# Altium PCB RD.PcbDoc (continued)
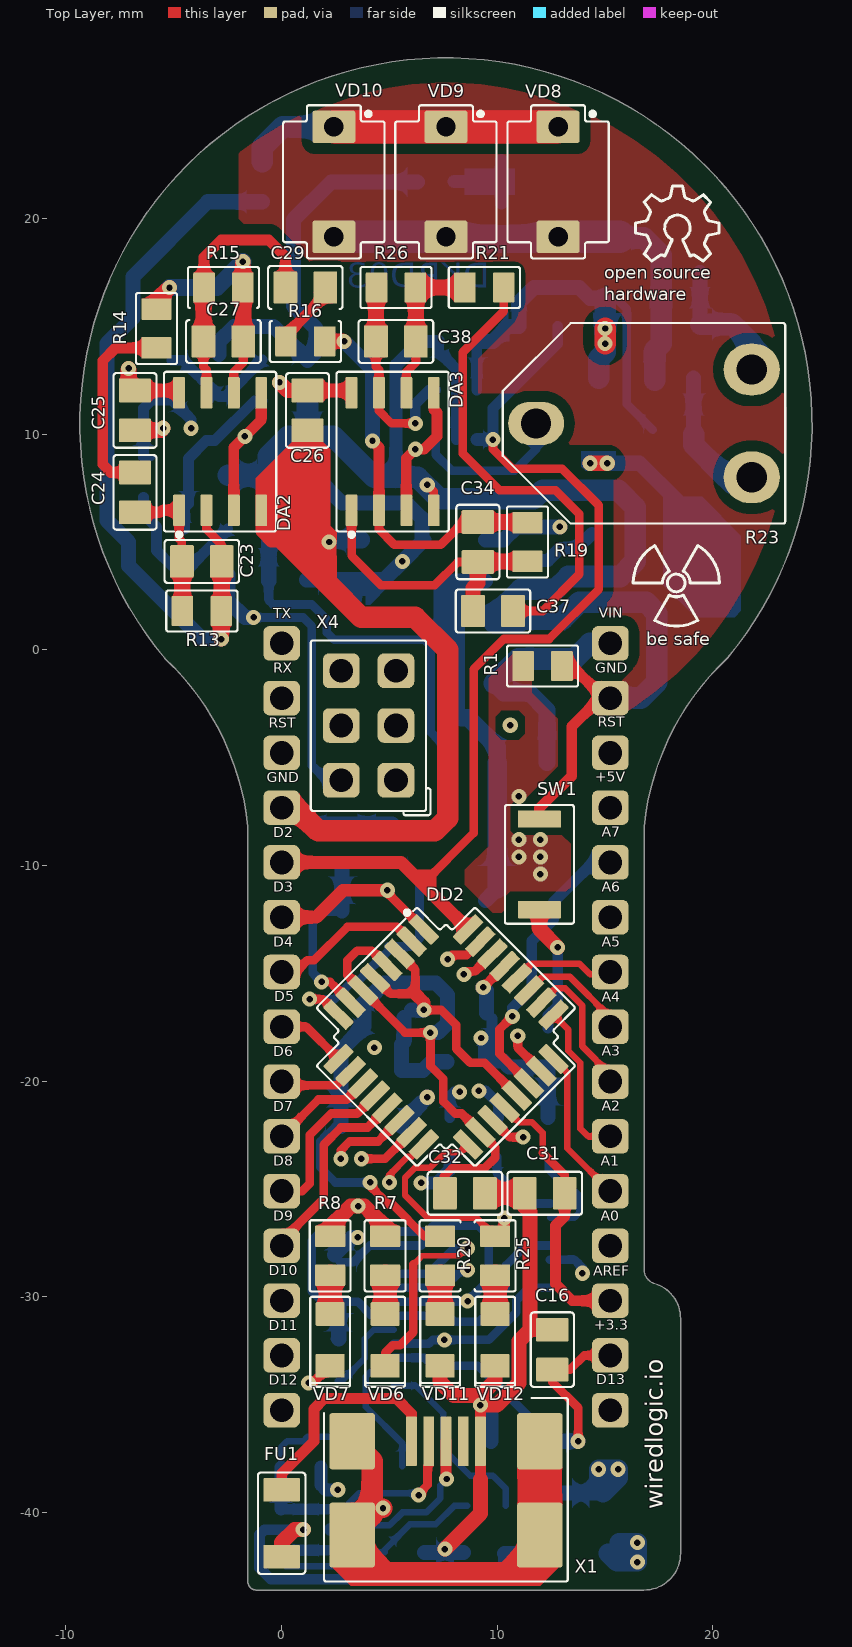
[diagram p0: Top Layer view]
## Part data
C1 C4 C7 C13 C22 C33: library part "C1206 10u", "Ceramic capacitor", Manufacturer=Yageo, Part Number=CC1206KKX7R8BB106, Note="25 VDC X7R -55 +125 10%", Price 10=0,258, Price 100=0,123, Price 1000=0,110, Seller=Mouser
C2 C6 C9 C14 C15 C16 C18 C25 C26 C28 C30 C31 C32 C35 C36: library part "C0805 0.1u", "Ceramic capacitor", Manufacturer=AVX, Part Number=08055C104KAT2A, Note="50 VDC X7R -55 +125 10%", Price 10=0,065, Price 100=0,030, Price 1000=0,017, Seller=Mouser
C3 C10 C11 C12 C20 C21 C29 C37: library part "C0805 0.01u", "Ceramic capacitor", Manufacturer=AVX, Part Number=08055C103KAT2A, Note="50 VDC X7R -55 +125 10%", Price 10=0,058, Price 100=0,026, Price 1000=0,015, Seller=Mouser
C5 C8: library part "C0805 47p", "Ceramic capacitor", Manufacturer=Kemet, Part Number=C0805C470J5GACTU, Note="50 VDC C0G (NP0) -55 +125 10%", Price 10=0,041, Price 100=0,028, Price 1000=0,019, Seller=Mouser
C17 C19: library part "C0805 9p", "Ceramic capacitor", Manufacturer=Yageo, Part Number=CC0805DRNPO9BN9R0, Note="50 VDC C0G (NP0) -55 +125 0.5pF", Price 10=0,08, Price 100=0,037, Price 1000=0,028, Seller=Mouser
C23: "Ceramic capacitor", Manufacturer=Yageo, Part Number=CC0805CRNPO9BN4R7, Note="50VDC C0G (NP0) -55 +125 +-0.25p", Price 10=0,091, Price 100=0,058, Price 1000=0,043, Seller=Mouser
C24: library part "C0805 1000p", "Ceramic capacitor", Manufacturer=Kemet, Part Number=C0805C102K5RACTU, Note="50 VDC X7R -55 +125 10%", Price 10=0,037, Price 100=0,026, Price 1000=0,017, Seller=Mouser
C27 C34 C38: library part "C0805 100p", "Ceramic capacitor", Manufacturer=Kemet, Part Number=C0805C101J5GACTU, Note="50 VDC C0G (NP0) -55 +125 10%", Price 10=0,045, Price 100=0,030, Price 1000=0,020, Seller=Mouser
DA1: library part "DA LD1117SC-R", "Adjustable LDO", Manufacturer="ST Microelectronics", Part Number=LD1117SC-R, Note="800 mA 1.2V -40 +125 Min load 5 mA", Price 10=0,561, Price 100=0,303, Price 1000=0,227, Seller=Mouser
DA2 DA3: library part "DA MAX4477ASA+", "Operational amplifier", Manufacturer=Maxim, Part Number=MAX4477ASA+, Price 10=2,58, Price 100=2,58, Price 1000=2,58, Seller=Mouser
DA4: library part "DA TLV3201AIDBV", "Push-pull output comparator", Manufacturer=TI, Part Number=TLV3201AIDBV, Price 10=1,67, Price 100=1,31, Price 1000=0,773, Seller=Mouser
DD1: library part "DD FT232RL", "USB to UART interface", Manufacturer=FTDI, Part Number=FT232RL, Price 10=6,39, Price 100=5,76, Price 1000=4,18, Seller=Mouser
DD2: library part "DD ATmega328P-AU", "AVR Microcontroller", Manufacturer=Atmel, Part Number=ATmega328P-AU, Price 10=3,27, Price 100=2,71, Price 1000=2,64, Seller=Mouser
FU1: library part "FU 0.5A", "PTC resettable fuse", Manufacturer=Bourns, Part Number=MF-NSMF050, Note="Hold 0.5A Trip 1A -40 +85 Vmax 13.2", Price 10=0,431, Price 100=0,411, Price 1000=0,411, Seller=Mouser
L1 L2 L3: library part "L ILHB1206ER601V", "Multilayer ferrite bead", Manufacturer=Vishay, Part Number=ILHB1206ER601V, Note="2.5A 25% 600 Ohms", Price 10=0,189, Price 100=0,134, Price 1000=0,110, Seller=Mouser
R1 R15 R19 R26 R27: library part "R0805 10k", "Thick film resistor", Manufacturer=Yageo, Part Number=RC0805FR-0710KL, Note="150 VDC -55 +155 1% 125mW", Price 10=0,026, Price 100=0,009, Price 1000=0,006, Seller=Mouser
R2: library part "R0805 120", "Thick film resistor", Manufacturer=Yageo, Part Number=RC0805FR-07120RL, Note="150 VDC -55 +155 1% 125mW", Price 10=0,026, Price 100=0,009, Price 1000=0,006, Seller=Mouser
R3 R12: library part "R0805 360", "Thick film resistor", Manufacturer=Yageo, Part Number=RC0805FR-07360RL, Note="150 VDC -55 +155 1% 125mW 100PPM", Price 10=0,026, Price 100=0,009, Price 1000=0,006, Seller=Mouser
R4 R5: library part "R0805 22", "Thick film resistor", Manufacturer=Yageo, Part Number=RC0805FR-0722RL, Note="150 VDC -55 +155 1% 125mW", Price 10=0,026, Price 100=0,009, Price 1000=0,006, Seller=Mouser
R6 R11: library part "R0805 5.1k", "Thick film resistor", Manufacturer=Yageo, Part Number=RC0805FR-075K1L, Note="150 VDC -55 +155 1% 125mW", Price 10=0,026, Price 100=0,009, Price 1000=0,006, Seller=Mouser
R7 R8 R14 R16 R17 R18 R20 R21 R25: library part "R0805 1k", "Thick film resistor", Manufacturer=Yageo, Part Number=RC0805FR-071KL, Note="150 VDC -55 +155 1% 125mW", Price 10=0,026, Price 100=0,009, Price 1000=0,006, Seller=Mouser
R9: library part "R0805 1M", "Thick film resistor", Manufacturer=Yageo, Part Number=RC0805FR-071ML, Note="150 VDC -55 +155 1% 125mW", Price 10=0,026, Price 100=0,009, Price 1000=0,006, Seller=Mouser
R10 R13: library part "R0805 10M", "Thick film resistor", Manufacturer=Yageo, Part Number=RC0805FR-0710ML, Note="150 VDC -55 +155 1% 125mW", Price 10=0,024, Price 100=0,007, Price 1000=0,006, Seller=Mouser
R22: library part "R0805 100k", "Thick film resistor", Manufacturer=Yageo, Part Number=RC0805FR-07100KL, Note="150 VDC -55 +155 1% 125mW", Price 10=0,026, Price 100=0,009, Price 1000=0,006, Seller=Mouser
R23: library part "R Trim 10k 3319", "Trimming resistor", Manufacturer=Bourns, Part Number=3319P-1-103, Note="200 VDC -25 +100 25% 200mW", Price 10=0,522, Price 100=0,452, Price 1000=0,39, Seller=Mouser
R24: library part "R0805 150k", "Thick film resistor", Manufacturer=Yageo, Part Number=RC0805FR-07150KL, Note="150 VDC -55 +155 1% 125mW", Price 10=0,026, Price 100=0,009, Price 1000=0,006, Seller=Mouser
SW1: library part "SW SKRKAEE010", "Button", Manufacturer=ALPS, Part Number=SKRKAEE010, Note="3.9x2.9x2 1.57N 200000cycles Travel0.13mm 100mOhm max 50mA 12VDC min 10uA 1VDC", Price 10=0,962, Price 100=0,802, Price 1000=0,723, Seller=Mouser
VD1 VD2: library part "VD B160-E3/5AT", "Shottky diode", Manufacturer=Vishay, Part Number=B160-E3/5AT, Note="1A 60V 0.75V@1A", Price 10=0,349, Price 100=0,171, Price 1000=0,097, Seller=Mouser
VD3: library part "VD USBLC6-4SC6 One side", "ESD protection", Manufacturer=ST, Part Number=USBLC6-4SC6, Price 10=0,520, Price 100=0,318, Price 1000=0,245, Seller=Mouser
VD4 VD5: library part "VD BAS28", "Double diode", Manufacturer=Nexperia, Part Number=BAS28, Note="215mA 75V 1.25V@150mA", Price 10=0,409, Price 100=0,171, Price 1000=0,117, Seller=Mouser
VD6: library part "VD LED 0805 Red", "LED", Manufacturer=Lite-On, Part Number=LTST-C171KRKT, Note="130 deg 639 nm 54 mcd typ", Price 10=0,392, Price 100=0,121, Price 1000=0,093, Seller=Mouser
VD7 VD11: library part "VD LED 0805 Green", "LED", Manufacturer=Lite-On, Part Number=LTST-C171GKT, Note="130 deg 565 nm 12 mcd typ", Price 10=0,375, Price 100=0,117, Price 1000=0,089, Seller=Mouser
VD8 VD9 VD10: library part "VD BPW34S", "Photodiode", Manufacturer=Vishay, Part Number=BPW34S, Note="7.5 mm2 RiseTime100ns 25 pF", Price 10=1,36, Price 100=1,08, Price 1000=0,927, Seller=Mouser
VD12: library part "VD LED 0805 Yellow", "LED", Manufacturer=Lite-On, Part Number=LTST-C171KSKT, Note="130 deg 588 nm 60 mcd typ", Price 10=0,422, Price 100=0,132, Price 1000=0,100, Seller=Mouser
VT1: library part "VT NTR4171P", "P-channel MOSFET", Manufacturer="ON Semiconductor", Part Number=NTR4171P, Note="110mOhm @ 4.5V 30V 3.5A", Price 10=0,424, Price 100=0,228, Price 1000=0,173, Seller=Mouser
X1: library part "X USB 1775051-1", "USB connector", Manufacturer=TE, Part Number=1775051-1, Note="Mini USB Type AB Female", Price 10=1,85, Price 100=1,40, Price 1000=1,40, Seller=Mouser
X2 X3: library part "X PLS-15", "PLS connector", Manufacturer=Molex, Part Number=22-28-4150, Price 10=0,916, Price 100=0,806, Price 1000=0,585, Seller=Mouser
X4: library part "X PLD-6", "PLD connector", Manufacturer="TE Connectivity", Part Number=5-146254-3, Price 10=0,726, Price 100=0,492, Price 1000=0,385, Seller=Mouser
ZQ1: library part "ZQ TSX-3225 16.0000MF09Z-AC3", "Crystal", Manufacturer=Citizen, Part Number="TSX-3225 16.0000MF09Z-AC3", Note="-20 +75 10 ppm", Price 10=0,606, Price 100=0,537, Price 1000=0,537, Seller=Mouser

## Via types
v1: diameter 0.7, hole 0.3, Top Layer to Bottom Layer, 72 vias

## Nets (pads, with @x,y where several pads share a name; then routed paths per layer and width w, separated by ;. In a path a pad name is that pad's centre, name@x,y a point inside that pad or via, vN(x,y) a via of type N, cw(c..) or ccw(c..) an arc to the next point about the centre after c; other vN are vias at no path point)
+3.3V: C13.1 C16.2 DD1.17 X3.14 | length 17
  Top Layer w0.4: v1(13.75,-36.7) 13.75,-35.15 12.55,-33.95 C16.2 13.375,-33.375 14.03,-32.72 X3.14
  Bottom Layer w0.3: C13.1 C13.1@12.5,-36.6
  Bottom Layer w0.4: DD1.17 6.625,-32.825 7,-33.2 9.1,-33.2 C13.1@12.5,-36.6
  Bottom Layer w0.7: C13.1 v1(13.75,-36.7)
+5V: C4.1 C6.2 L2.2 L3.1 R2.1 VD1.1 VD2.1 VD4.4 X3.4 X4.2 | length 92.6
  Top Layer w0.7: v1(14.3,8.65) v1(15.1,8.65)
  Power w0.7: v1(-1.3,1.5) -1.3,2.15 ; v1(6.75,-20.75) 6.75,-19.7 7.95,-18.5 7.95,-17.5 8.55,-16.9 9.5,-16.9 10.95,-15.45
  Power w1: -1.3,2.15 0.05,3.5 5,3.5 v1(5.6,4.1) 7.7,4.1 11.5,7.9 13.6,7.9 14.3,8.6 15.1,8.6 15.1,3.8 12.9,1.6 12.9,-4.2 13.25,-4.55 13.25,-11.35 11.4,-13.2 11.4,-15 10.95,-15.45 ; 13.25,-7.32 X3.4
  GND w0.7: v1(14.3,8.65) v1(15.1,8.65)
  Bottom Layer w0.4: v1@-1.4,1.5 v1(-1.3,1.5) 1,1.5 1.4,1.1 1.4,-5.37 2.08,-6.05 X4.2
  Bottom Layer w0.7: VD4.4@-2.5,3.5 -2.5,2.3 -1.7,1.5 v1@-1.4,1.5 ; R2.1@1.15,3.25 3.35,3.25 ; C6.2 1.5,8.1 2.8,6.8 5.8,6.8 6.5,6.1 C4.1 ; VD1.1@3.35,1.95 3.35,3.25 ; L3.1 5.55,-21.95 v1(6.75,-20.75) ; C4.1@6.6,5.1 v1(5.6,4.1) 4.75,3.25 3.35,3.25 ; v1(15.1,8.65) 16.6,8.65 18.4,6.85 VD2.1
+5VA: C22.1 C25.2 C26.2 C28.2 DA2.8 DA3.8 DA4.5 L2.1 R22.1 R27.2 | length 53.5
  Top Layer w0.6: C25.2 DA2.8@-4.864,12.025 ; C26.2 DA3.8@3.136,12.025
  Top Layer w0.7: v1(-7.1,13.05) -7.1,12.325 C25.2 ; v1(-0.1,12.4) 0.275,12.025 C26.2
  Top Layer w1: v1(15,14.2) v1(15,14.9)
  Power w1: v1(-7.1,13.05) -0.75,13.05 v1(-0.1,12.4) 0.5,11.8 3.5,11.8 6.6,14.9 v1(15,14.9) v1(15,14.2)
  GND w1: v1(15,14.2) v1(15,14.9)
  Bottom Layer w0.4: C22.1@15,16.3 15.5,16.3 16,15.8 16,11.4 R22.1@17.2,10.2
  Bottom Layer w0.5: DA4.5 C28.2@9.05,14.225
  Bottom Layer w0.7: C28.2 9.8,14.3 10.5,15 R27.2 11,16.1 11.7,16.8 13.8,16.8 14.3,16.3 C22.1@15,16.3
  Bottom Layer w1: L2.1 14.7,13.5 15,13.8 C22.1@15,16.3
+13.4V: C15.2 R9.1 VD5.2 | length 19.2
  Bottom Layer w0.7: VD5.2@-2.9,13.7 -2.9,14.3 -2.2,15 -0.375,15 C15.2 1.6,13.825 1.6,14.9 0.55,15.95 0.55,19.95 2.3,21.7 R9.1
A0: DD2.23 X3.12 | length 14.2
  Top Layer w0.4: v1(10.95,-17.9) 10.95,-18.452 DD2.23
  Power w0.7: v1(10.95,-17.9) 13,-19.95 13,-26.45 14.19,-27.64 X3.12
A1: DD2.24 X3.11 | length 7.2
  Top Layer w0.3: DD2.24 13.25,-19.62 13.25,-23.11 X3.11
A2: DD2.25 X3.10 | length 7.3
  Top Layer w0.3: DD2.25 13.287,-17.607 13.287,-18.587 13.85,-19.15 13.85,-22.2 14.21,-22.56 X3.10
A3: DD2.26 X3.9 | length 6.6
  Top Layer w0.3: DD2.26 12.698,-15.7 13.15,-15.7 13.95,-16.5 13.95,-18.393 15.24,-19.683 X3.9
A4: DD2.27 X3.8 | length 5.3
  Top Layer w0.3: DD2.27 12.117,-15.15 13.35,-15.15 15.24,-17.04 X3.8
A5: DD2.28 X3.7 | length 4.7
  Top Layer w0.3: DD2.28 11.586,-14.55 13.8,-14.55 14.3,-15.05 X3.7@15.13,-15.05
A6: DD2.19 X3.6 | length 14.3
  Top Layer w0.4: DD2.19 10.573,-22.6 v1(11.2,-22.6)
  GND w0.5: v1(11.2,-22.6) 13.65,-20.15 13.65,-12.85 14.1,-12.4 X3.6
A7: DD2.22 X3.5 | length 13.4
  Top Layer w0.4: v1(10.7,-17) 10.1,-17.6 10.1,-18.733 DD2.22
  Bottom Layer w0.5: v1(10.7,-17) 10.7,-16.6 11.6,-15.7 11.6,-13.5 12.6,-12.5 12.6,-11.7 14.44,-9.86 X3.5
AREF: C31.2 DD2.20 X3.13 | length 12.7
  Top Layer w0.3: DD2.20 10.342,-21.242 11,-21.9 11.6,-21.9 12.1,-22.4 12.1,-23.325
  Top Layer w0.4: 12.1,-23.325 13.125,-24.35 C31.2
  Top Layer w0.5: C31.2 13.125,-26.275 12.7,-26.7 12.7,-29.4 13.48,-30.18 X3.13
D0/RX: DD2.30 R17.1 X2.2 | length 37.1
  Top Layer w0.4: v1(8.45,-15.05) 8.6,-14.9 8.973,-14.9 DD2.30
  Power w0.4: X2.2 0.76,-2.24 1.4,-1.6 1.4,0.3 1.75,0.65
  Power w0.5: 1.75,0.65 6.35,0.65 7.9,-0.9 7.9,-10.35 6.35,-11.9 6.35,-14.7 7.1,-15.45 8.05,-15.45 v1(8.45,-15.05)
  GND w0.4: v1(8.45,-15.05) 8.45,-19.05 9.15,-19.75 v1(9.15,-20.45)
  Bottom Layer w0.5: v1(9.15,-20.45) 9.45,-20.45 10.05,-21.05 R17.1
D1/TX: DD2.31 R18.1 X2.1 | length 35.3
  Top Layer w0.4: v1(7.7,-14.35) 7.9,-14.15 8.592,-14.15 DD2.31
  Power w0.5: X2.1 0,1.3 0.5,1.8 6.7,1.8 8.9,-0.4 8.9,-11.05 7.6,-12.35 7.6,-14.25 v1(7.7,-14.35)
  GND w0.4: v1(7.7,-14.35) 7.7,-19.95 v1(8.25,-20.5)
  Bottom Layer w0.5: R18.1 7.8,-20.7 8,-20.5 v1@8.2,-20.5
D2: DA4.1 DD2.32 R27.1 X2.5 | length 45.6
  Top Layer w0.4: 6.54,-10.86 8.9,-8.5 8.9,-0.9 10.3,0.5 12.4,0.5 14.7,2.8 14.7,6.7 13,8.4 10.7,8.4 9.8,9.3 v1(9.8,9.75)
  Top Layer w0.6: X2.5 5.54,-9.86 DD2.32@8.54,-12.86
  Bottom Layer w0.5: v1(9.8,9.75) 9.8,11.2 12.8,14.2 R27.1
  Bottom Layer w0.6: DA4.1 v1(9.8,9.75)
D3: C10.1 C12.1 DD2.1 X2.6 | length 41.6
  Top Layer w0.4: v1(4.9,-11.15) 4.9,-11.27 DD2.1
  Top Layer w0.6: X2.6 1.6,-12.4 2.85,-11.15 v1(4.9,-11.15)
  GND w0.35: 4.4,-9.8 4.03,-9.43 4.03,0.11 4.6,0.68
  GND w0.4: 4.6,0.68 4.6,0.7
  GND w0.5: v1(-4.2,10.275) -2.013,8.088 1.312,8.088 2.5,6.9 3,6.9 4.6,5.3 4.6,0.7 ; 4.4,-9.8 4.9,-10.3 v1(4.9,-11.15)
  Bottom Layer w0.3: C10.1 C10.1@-6,8.925
  Bottom Layer w0.5: C10.1 -6.4,11.2 -6.025,11.575 C12.1 -4.2,10.675 v1(-4.2,10.275)
D4: DD2.2 X2.7 | length 7.2
  Top Layer w0.4: X2.7 0.66,-14.94 1.2,-14.4 1.5,-14.4 3.05,-12.85 5.348,-12.85 DD2.2
D5: DD2.9 X2.8 | length 3.3
  Top Layer w0.4: X2.8 1.14,-17.48 DD2.9
D6: DD2.10 X2.9 | length 3.3
  Top Layer w0.4: X2.9@0.18,-20.2 2.542,-20.2 DD2.10
D7: DD2.11 X2.10 | length 4.8
  Top Layer w0.4: X2.10 1.71,-20.85 3.023,-20.85 DD2.11
D8: DD2.12 X2.11 | length 7.5
  Top Layer w0.4: X2.11 0.95,-25.1 1.3,-24.75 1.3,-22.5 2.3,-21.5 3.504,-21.5 DD2.12
D9: DD2.13 X2.12 | length 9.2
  Top Layer w0.3: X2.12 X2.12@0,-27.4
  Top Layer w0.4: X2.12@0,-27.4 1.95,-25.45 1.95,-22.95 2.75,-22.15 3.986,-22.15 DD2.13
D10: DD2.14 X2.13 | length 12.4
  Top Layer w0.4: v1(2.75,-23.6) 2.75,-23.2 3.15,-22.8 4.467,-22.8 DD2.14
  Power w0.4: X2.13 1.3,-30.18 1.75,-29.73 1.75,-24.2 2.35,-23.6 v1(2.75,-23.6)
D11/MOSI: DD2.15 X2.14 X4.4 | length 38
  Top Layer w0.4: v1(3.7,-23.6) 4.798,-23.6 DD2.15
  Power w0.4: X2.14 1.8,-32.72 2.65,-31.87 2.65,-24.95 3.7,-23.9 v1(3.7,-23.6)
  GND w0.4: X4.4 1.79,-3.51 1.4,-3.9 1.4,-6.9 3.2,-8.7 3.2,-13 4.1,-13.9 4.1,-16.3 2.6,-17.8 2.6,-19.7 3.7,-20.8 v1(3.7,-23.6)
D12/MISO: DD2.16 X2.15 X4.1 | length 37.1
  Top Layer w0.3: v1(5,-24.7) 5,-24.35 5.85,-23.5 6.03,-23.5 DD2.16
  Power w0.6: X2.15 2.34,-35.26 5,-32.6 v1(5,-24.7)
  GND w0.4: v1(5,-24.7) 5,-20.7 3.4,-19.1 3.4,-18.1 4.8,-16.7 4.8,-13.7 5.9,-12.6 5.9,-9.2 5.3,-8.6 X4.1
D13/SCK: DD2.17 R25.2 X3.15 X4.3 | length 52.2
  Top Layer w0.3: DD2.17 8.28,-23.3 7.6,-23.3 6.89,-24.01 6.19,-24.01 5.72,-24.48 5.72,-25.295 6.75,-26.325 9.025,-26.325 R25.2
  Top Layer w0.5: R25.2 10.325,-26.775 v1(10.325,-26.35)
  Power w0.3: 5.75,-23.95 5.75,-25.5 6,-25.75
  Power w0.5: v1(4.3,-18.45) 5.1,-19.25 5.1,-23.3 5.75,-23.95 ; 6,-25.75 6.6,-26.35 v1(10.325,-26.35)
  Power w0.7: v1(10.325,-26.35) 10.325,-31.875 13.71,-35.26 X3.15
  GND w0.4: v1(4.3,-18.45) 5.5,-17.25 5.5,-15.8 6.3,-15 6.3,-14 7,-13.3 7,-4.1 6.41,-3.51 X4.3
GND: C1.2 C2.1 C3.2 C4.2 C5.2 C6.1 C7.2 C8.2 C9.1 C11.1 C13.2 C15.1 C16.1 C17.2 C18.2 C19.2 C21.1 C22.2 C25.1 C26.1 C28.1 C30.1 C31.1 C32.1 C33.2 C35.1 C36.1 DA2.4 DA3.4 DA4.2 DD1.7 DD1.18 DD1.21 DD1.25 DD1.26 DD2.3 DD2.5 DD2.21 R1.1 R3.2 R24.2 SW1.1 VD8.2 VD9.2 VD10.2 VD11.1 VD12.1 X1.5 X2.4 X3.2 X4.6 | length 316.6
  Top Layer w0.3: DD2.21 DD2.21@10.908,-20.654
  Top Layer w0.4: DD2.5 5.054,-15.95 6.2,-15.95 6.2,-14.833 DD2.3 ; v1(6.6,-16.7) 7.4,-16.7 8.1,-17.4 8.1,-18.5 8.75,-19.15 9.404,-19.15 DD2.21@10.908,-20.654 ; v1(6.75,7.65) 7.053,7.347 DA3.4
  Top Layer w0.5: C26.1 1.2,9.5 -0.947,7.353 DA2.4 -0.947,5.447 -0.5,5 v1(2.2,5) ; 9.22,-38.48 X1.5 v1(9.22,-35.02) ; SW1.1 11.95,-7.35 13.45,-5.85 13.45,-3.55 14.85,-2.15 13.45,-0.75 R1.1
  Top Layer w0.6: 6.2,-15.95 6.6,-16.35 v1(6.6,-16.7)
  Top Layer w0.7: C25.1 -5.6,10.175 v1(-5.5,10.275) ; 2.2,3 v1(2.2,5) ; VD11.1 7.35,-33.95 7.98,-34.58 9.22,-34.58 ; v1(7.57,-41.7) 9.22,-40.05 9.22,-38.48 ; VD12.1 9.9,-33.9 9.22,-34.58 ; C31.1 11.275,-25.825 11.525,-26.075 11.525,-31.525 C16.1 ; 11.425,-31.625 11,-32.05 11,-34 9.98,-35.02 v1(9.22,-35.02) 9.22,-34.58
  Top Layer w1: X2.4 0.62,-7.32 1.7,-8.4 7.1,-8.4 7.7,-7.8 7.7,0 6.2,1.5 3.7,1.5 2.2,3 ; C32.1@9.375,-25.2 C31.1
  Power w0.7: 6.1,-16.7 v1(6.6,-16.7)
  Power w1: X2.4 0.42,-7.32 3.1,-10 3.1,-13.7 6.1,-16.7
  Power w1.5: VD10.2 VD8.2
  GND w1: X2.4 0.32,-7.32 2,-9 2,-13.2 3,-14.2 3,-15.985 1.7,-17.285 1.7,-21.3 1.7,-26 2.95,-27.25 v1(3.525,-27.25) 7.64,-27.25 9.765,-25.125 10.975,-25.125 11.725,-25.875 11.725,-26.825 10.7,-27.85 10.7,-38.3 12.55,-40.15 15.675,-40.15 16.5,-40.975 v1(16.5,-41.4) v1(16.5,-42.3) ; v1(2.6,-38.95) 2.6,-40.1 4.2,-41.7 v1(7.57,-41.7) v1@16.45,-41.7 ; v1(7.55,-32) 8.625,-30.925 v1(8.625,-30.2)
  GND w1.4: v1(2.2,5) 2.76,4.44 ; 6.5,16.5 7.62,17.62 VD9.2
  Bottom Layer w0.4: C9.1 2.725,-28.4 3.325,-28.4 4.1,-27.625 DD1.25 6.475,-27.625 6.75,-27.35 6.75,-26.975 ; DD1.18 6.825,-32.175 7,-32 9.6,-32 10.875,-30.725 10.875,-30.175 11.475,-29.575 DD1.7 ; DD1.21 8.6,-30.225 v1(8.625,-30.2) 9.6,-29.225 9.6,-27.2 9.1,-26.7 7.025,-26.7 6.75,-26.975 ; DD1.26 6.75,-26.975
  Bottom Layer w0.5: C28.1 7.275,13.825 8.1,13 DA4.2
  Bottom Layer w0.6: C5.2 1.825,-38.725 2.05,-38.95 v1(2.6,-38.95) ; 5.3,8 5.3,13.2 6.4,14.3 C28.1
  Bottom Layer w0.7: C6.1 -0.625,7.625 1.2,5.8 R3.2 ; C9.1@2.45,-28.05 3.25,-27.25 v1(3.525,-27.25) ; C30.1 5.675,-18.175 5.55,-18.3 C33.2 6.55,-19.5 6.95,-19.1 C21.1 ; C30.1@6.025,-16.7 v1(6.6,-16.7) ; C8.2 C3.2@8.425,-41.85 ; v1(9.22,-35.02) 9.7,-35.5 C13.2
  Bottom Layer w0.8: X2.4 0.72,-7.32 1.525,-8.125 C17.2 C19.2 ; R3.2 1.7,5.4 2.1,5 v1(2.2,5) 2.3,5.1 C4.2 ; v1@7.57,-41.8 v1(7.57,-41.7)
  Bottom Layer w0.9: C7.2 15.55,-42.3 v1(16.5,-42.3) v1(16.5,-41.4) C7.2@15.65,-41.4
  Bottom Layer w1: C11.1 C6.1 -0.625,8.975 0.3,9.9 2.4,9.9 4.3,8 5.3,8 6.3,8 7.3,7 11.7,7 12.1,7.4 15.6,7.4 16.4,6.6 16.4,4.1 15.7,3.4 13.3,3.4 12.7,2.8 11.1,2.8 9.85,1.55 C1.2 10.95,1.25 11.125,1.425 13.025,1.425 13.8,2.2 16.9,2.2 17.4,1.7 17.4,-1.5 16.66,-2.24 X3.2 ; 1.2,10 C15.1 ; C22.2 16.8,19.1 17.6,18.3 R24.2 17.6,14.2 17.3,13.9 C35.1@17.3,12.5
  Bottom Layer w1.3: VD9.2@7.62,19.05 VD8.2@12.82,19.05
  Bottom Layer w1.5: VD10.2 VD9.2 ; VD8.2 C22.2@15.65,19.15
NetC3_1: C3.1 FU1.2 L1.2 VD3.5 | length 20.4
  Top Layer w0.7: FU1.2 0,-41.4 0.6,-40.8 v1(1,-40.8)
  Bottom Layer w0.5: v1(1,-40.8) VD3.5 -0.8,-40.8 -1.03,-41.03 -1.03,-42.57 -0.5,-43.1 10,-43.1 10.275,-42.825 C3.1@10.275,-41.85
  Bottom Layer w0.7: C3.1@10.325,-41.9 L1.2@12.5,-41.9
NetC5_1: C5.1 R4.1 VD3.1 VD3.6 X1.2 | length 17.4
  Top Layer w0.3: v1(6.35,-39.2) 6.82,-38.73 X1.2
  Bottom Layer w0.3: C5.1 -0.025,-36.975 0.25,-36.7 1,-36.7 1.2,-36.5 3.3,-36.5 3.8,-37 R4.1 ; VD3.1 2.85,-39.85 3.6,-39.1 6.25,-39.1 v1(6.35,-39.2)
  Bottom Layer w0.5: VD3.6 VD3.1
  Bottom Layer w0.6: VD3.6 C5.1@-0.03,-37.905
NetC8_1: C8.1 R5.1 VD3.3 VD3.4 X1.3 | length 21.6
  Top Layer w0.5: v1@7.62,-38.38 X1.3
  Bottom Layer w0.3: VD3.4 -0.03,-42.27 0.2,-42.5 3.5,-42.5 4.15,-41.85 C8.1 4.775,-41.725 5.95,-40.55 7.15,-40.55 8,-39.7 R5.1 ; VD3.3 3.05,-41.75 4.2,-40.6 5,-40.6 5.6,-40 6.7,-40 7.35,-39.35 7.35,-38.75 v1(7.65,-38.45)
  Bottom Layer w0.5: VD3.4 VD3.3
NetC10_2: C10.2 VD4.1 VD4.3 | length 7
  Bottom Layer w0.5: C10.2 -6.4,6.3 -5.8,5.7 -5.8,4.6 -5.1,3.9 VD4.1 -4.2,3.9 VD4.3
NetC11_2: C11.2 VD4.2 VD5.4 | length 7.9
  Bottom Layer w0.5: VD4.2 -4.5,6.6 -4.325,6.775 C11.2 -4.325,8.875 -3.5,9.7 -3.1,9.7 -1.25,11.55 VD5.4
NetC12_2: C12.2 VD5.1 VD5.3 | length 5.6
  Bottom Layer w0.5: C12.2 -4.575,13.425 VD5.1 -2.6,11.75 VD5.3
NetC14_2: C14.2 DD1.2 | length 4.8
  Bottom Layer w0.3: C14.2 12.35,-24.1 13.05,-24.8 13.3,-24.8 13.8,-25.3 13.8,-26.1 13.575,-26.325 DD1.2
NetC17_1: C17.1 DD2.7 ZQ1.1 | length 8.4
  Top Layer w0.4: v1(1.85,-15.4) 2.242,-15.4 DD2.7
  Bottom Layer w0.4: v1(1.85,-15.4) 1.45,-15 1.45,-12.65 1.95,-12.15 ZQ1.1@2.75,-12.15
  Bottom Layer w0.5: ZQ1.1@2.75,-12.15 ZQ1.1@2.8,-12.1
  Bottom Layer w0.7: ZQ1.1@2.8,-12.1 C17.1
NetC18_1: C18.1 R9.2 R10.1 | length 4.2
  Bottom Layer w0.6: R9.2@8,21.712 10.2,21.712 ; C18.1 10.2,21.712 ; R10.1 10.2,21.712
NetC19_1: C19.1 DD2.8 ZQ1.3 | length 12.1
  Top Layer w0.4: v1(1.3,-16.2) 1.91,-16.2 DD2.8
  Bottom Layer w0.4: v1(1.3,-16.2) 2.45,-16.2 3.275,-15.375 3.525,-15.375 ZQ1.3 ; ZQ1.3@4.95,-13.75 6.04,-13.75 6.39,-13.4 6.39,-10.69 5.675,-9.975 C19.1
NetC20_1: C20.1 R10.2 VD8.1 VD9.1 VD10.1 | length 35.4
  Top Layer w1.5: VD10.1 VD8.1 VD8.1@12.85,24.25
  Power w1.5: VD10.1 VD8.1@12.65,24.25
  Bottom Layer w1: C20.1 -0.9,23.3 0.05,24.25 VD10.1
  Bottom Layer w1.3: VD9.1@7.62,24.35 VD8.1@12.82,24.35
  Bottom Layer w1.5: VD10.1 VD9.1
NetC20_2: C20.2 C23.1 DA2.2 R13.1 | length 33.7
  Top Layer w0.4: DA2.2 -3.487,5.587 -2.775,4.875 C23.1
  Top Layer w0.7: v1(-2.8,0.5) R13.1 ; R13.1@-2.775,1.825 C23.1
  Bottom Layer w0.7: v1(-2.8,0.5) -3.7,0.5 -7.1,3.9 -7.1,5 -8.1,6 -8.1,14.2 -6.9,15.4 -6.9,17.3 -3.425,20.775 C20.2
NetC23_2: C23.2 C24.1 DA2.1 R13.2 | length 6.8
  Top Layer w0.4: DA2.1 -4.757,5.157 -4.625,5.025 C23.2
  Top Layer w0.5: C24.1 -5.625,6.375 -5.532,6.468 DA2.1
  Top Layer w0.7: R13.2 C23.2@-4.6,4.075
NetC24_2: C24.2 R14.1 | length 9.2
  Top Layer w0.5: C24.2 -7.925,8.225 -8.3,8.6 -8.3,13.4 -7.7,14 R14.1
NetC27_1: C27.1 DA2.6 R14.2 R15.1 | length 11.4
  Top Layer w0.4: DA2.6 -2.217,12.883 -1.775,13.325 C27.1
  Top Layer w0.7: R14.2 -5.8,16.2 v1(-5.2,16.8) ; R15.1 v1(-1.8,18) ; C27.1 R15.1@-1.775,16.775
  Bottom Layer w0.8: v1(-5.2,16.8) -3,16.8 v1(-1.8,18)
NetC27_2: C27.2 C29.1 DA2.7 R15.2 | length 12.2
  Top Layer w0.4: C27.2 -3.625,13.125 -3.487,12.987 DA2.7
  Top Layer w0.5: R15.2 -3.6,18.2 -2.8,19 -0.6,19 0.175,18.225 C29.1
  Top Layer w0.7: C27.2 R15.2@-3.625,16.775
NetC29_2: C29.2 R16.1 | length 2.7
  Top Layer w0.5: R16.1 R16.1@0.2,14.4 ; R16.1@0.2,14.6 C29.2@2.025,16.425
NetC34_1: C34.1 DA3.2 R16.2 R19.1 | length 17.9
  Top Layer w0.4: DA3.2 4.513,5.587 5.225,4.875 7.375,4.875 8.4,5.9 C34.1@8.9,5.9
  Top Layer w0.5: v1(4.213,9.687) 4.513,9.387 DA3.2 ; C34.1@8.9,5.9 C34.1@8.925,5.925
  Top Layer w0.7: R16.2 v1(2.9,14.3) ; C34.1@8.925,5.925 R19.1@11.375,5.925
  Bottom Layer w0.7: v1(2.9,14.3) 4.213,12.987 v1(4.213,9.687)
NetC34_2: C34.2 C37.1 DA3.1 R19.2 | length 13.6
  Top Layer w0.4: DA3.1 3.243,4.357 4.6,3 7.1,3 8.175,4.075 C34.2
  Top Layer w0.7: C37.1 8.875,2.875 9.1,3.1 C34.2 ; C34.2@9.125,4.1 R19.2
NetC35_2: C35.2 DA2.3 DA2.5 DA3.3 DA3.5 R22.2 R23.1 | length 44.1
  Top Layer w0.5: DA2.3 -2.217,9.383 -0.947,10.653 DA2.5 ; DA3.3 5.783,8.883 v1(6.2,9.3) 6.6,9.3 7.2,9.9 7.2,11 7.053,11.147 DA3.5
  GND w0.7: v1(-1.7,9.9) 2.1,9.9 3.6,8.4 5.3,8.4 v1(6.2,9.3) 7.65,9.3 9.45,7.5 21.3,7.5 R23.1
  Bottom Layer w0.7: R22.2@19.1,10.1 R22.2 C35.2@19.1,12.6
  Bottom Layer w1: R22.2@19.1,10 19.1,9.5 20.6,8 R23.1
NetC36_2: C36.2 R23.2 R24.1 | length 6.2
  Bottom Layer w0.7: C36.2@19.4,15.125 R24.1
  Bottom Layer w1: C36.2 20.9,15.1 21.8,14.2 R23.2@21.8,13.1
NetC37_2: C37.2 R21.1 | length 21.6
  Top Layer w0.4: R21.1 10.3,15.7 8.4,13.8 8.4,9.1 10.1,7.4 12.7,7.4 13.8,6.3 13.8,3.5 12.1,1.8 C37.2
NetC38_1: C38.1 DA3.6 R21.2 R26.1 | length 7.3
  Top Layer w0.4: DA3.6 5.783,12.883 6.225,13.325 C38.1
  Top Layer w0.7: R26.1 R21.2 ; C38.1 R26.1@6.225,16.775
NetC38_2: C38.2 DA3.7 DA4.4 R26.2 | length 9.8
  Top Layer w0.4: C38.2 4.375,13.125 4.513,12.987 DA3.7 4.513,11.087 5.1,10.5 v1(6.2,10.5)
  Top Layer w0.7: C38.2 R26.2@4.375,16.775
  Bottom Layer w0.5: v1(6.2,10.5) 6.2,11.4 6.85,12.05 DA4.4
NetDA1_1: DA1.1 R2.2 R3.1 | length 17.6
  Bottom Layer w0.4: R2.2 -0.6,2.3 -0.4,2.1 1.4,2.1 2.1,1.4 2.1,0.8 2.44,0.46 6.62,0.46 6.9,0.18 6.9,-3.8 7.7,-4.6 DA1.1
  Bottom Layer w0.7: R2.2 R3.1
NetDA1_2: DA1.2 DA1.4 R1.2 VD1.2 VT1.1 | length 18.1
  Bottom Layer w0.7: VD1.2@7.4,1.3 VD1.2 7.4,2.79 7.81,3.2 VT1.1 ; DA1.4@9.45,-11.625 DA1.4
  Bottom Layer w0.8: VD1.2@7.4,1.3 8.1,0.6 8.1,-2.9 8.35,-3.15 8.65,-3.15 10,-4.5 DA1.2
  Bottom Layer w0.9: DA1.4 DA1.2
  other v1: 12,-10.4 11,-9.6 12,-9.6 11,-8.8 12,-8.8 11,-6.8
NetDA4_3: DA4.3 R23.3 | length 7.3
  Bottom Layer w0.4: DA4.3 7.15,9.05 7.9,8.3 10.8,8.3 11.8,9.3 R23.3
NetDD1_15: DD1.15 R5.2 | length 8.9
  Bottom Layer w0.3: DD1.15 6.225,-34.125 7.5,-35.4 7.5,-37.05 8.75,-38.3 9.8,-38.3 10.4,-38.9 R5.2
NetDD1_16: DD1.16 R4.2 | length 6.2
  Bottom Layer w0.3: DD1.16 4.125,-33.475 3.9,-33.7 3.9,-35.1 5.6,-36.8 R4.2
NetDD1_19: DD1.19 R6.2 | length 4.1
  Bottom Layer w0.3: R6.2 2.8,-33.9 3.85,-32.85 3.85,-31.95 4.275,-31.525 DD1.19
NetDD1_22: DD1.22 VD7.1 | length 14.6
  Top Layer w0.4: v1(1.25,-33.99) 1.46,-33.99 VD7.1
  GND w0.7: v1(1.25,-33.99) 2.71,-33.99 7.95,-28.75 v1(8.625,-28.75)
  Bottom Layer w0.4: DD1.22 7.525,-29.575 8.35,-28.75 v1(8.625,-28.75)
NetDD1_23: DD1.23 VD6.1 | length 12.2
  Top Layer w0.25: 6.1,-28.5 6.5,-28.1 8.214,-28.1 v1@8.564,-27.75
  Top Layer w0.4: VD6.1 4.8,-32.6 5.15,-32.25 5.5,-32.25 6.1,-31.65 6.1,-28.5 ; v1@8.564,-27.75 v1(8.625,-27.75)
  Bottom Layer w0.4: DD1.23 6.825,-28.925 8,-27.75 v1(8.625,-27.75)
NetFU1_1: FU1.1 X1.1 | length 10.7
  Top Layer w0.5: FU1.1 0,-38.2 1.5,-36.7 1.5,-35.2 1.98,-34.72 5.32,-34.72 6.02,-35.42 X1.1
NetR7_1: R7.1 VD6.2 | length 1.8
  Top Layer w1: VD6.2 R7.1
NetR8_1: R8.1 VD7.2 | length 1.8
  Top Layer w1: VD7.2 R8.1
NetR12_2: R12.2 SW1.2 | length 6
  Top Layer w0.7: SW1.2 11.95,-12.95 v1(12.8,-13.8)
  Bottom Layer w0.5: R12.2 12.35,-16.95 12.8,-16.5 v1(12.8,-13.8)
NetR20_1: R20.1 VD11.2 | length 1.8
  Top Layer w1: VD11.2 R20.1
NetR25_1: R25.1 VD12.2 | length 1.8
  Top Layer w1: VD12.2 R25.1
NetVD2_2: VD2.2 VT1.3 | length 3.3
  Bottom Layer w0.6: VT1.3 12.35,4.15 12.9,4.7 13.7,4.7 VD2.2
RESET: C14.1 C21.2 DD2.29 R11.2 R12.1 X2.3 X3.3 X4.5 | length 56.1
  Top Layer w0.4: v1(9.35,-15.65) 9.354,-15.65 DD2.29
  Power w0.4: X2.3 1.4,-6.18 1.4,-6.9 2.2,-7.7 6.3,-7.7 7,-7 7,-1.5 6.47,-0.97 X4.5
  GND w0.5: v1(9.25,-18) 9.25,-17.05 10.4,-15.9
  GND w0.7: X4.5 10.37,-0.97 14.18,-4.78 X3.3 ; 8.3,-1.3 8.3,-12.8 10.4,-14.9 10.4,-15.9
  Bottom Layer w0.5: C21.2@9.35,-18.925 v1@9.35,-18 ; C21.2@9.75,-18.775 R11.2@9.75,-17.1
  Bottom Layer w0.7: v1(9.35,-15.65) 9.5,-15.8 R11.2 ; C21.2@9.85,-19.075 10.275,-19.075 10.55,-19.35 R12.1 C14.1
RXU: DD1.1 R17.2 | length 3.8
  Bottom Layer w0.4: R17.2@10,-23.5 10,-24.3 11.375,-25.675 DD1.1
SHIELD: VD3.2 X1.6 | length 22.7
  Top Layer w0.9: X1.6@4.2,-39.8 v1(4.7,-39.8)
  Top Layer w1: X1.6@3.27,-41.25 4.82,-42.8 10.42,-42.8 X1.6@11.97,-41.25 ; X1.6@3.27,-41.05 4.2,-40.12 4.2,-39.8 4.2,-37.63 X1.6@3.27,-36.7
  Top Layer w2: X1.6@11.97,-40.95 X1.6@11.97,-36.7
  Bottom Layer w0.6: VD3.2 3,-40.8 4,-39.8 v1(4.7,-39.8)
TXU: DD1.5 R18.2 | length 14.2
  Power w0.7: v1(6.47,-24.72) 10.92,-24.72 11.6,-25.4 ; 11.7,-25.5 11.7,-27.25 13.36,-28.91 v1(13.95,-28.91)
  Bottom Layer w0.4: DD1.5 13.575,-28.275 13.95,-28.65 v1(13.95,-28.91)
  Bottom Layer w0.6: v1(6.47,-24.72) 7.18,-24.72 7.8,-24.1 R18.2
VCCP: C30.2 C32.2 C33.1 DD2.4 DD2.6 DD2.18 L3.2 R11.1 R20.2 | length 40.8
  Top Layer w0.4: v1(4.1,-24.7) 4.1,-24.861 4.939,-25.7 5.125,-25.7 6.625,-27.2 R20.2 ; DD2.4 4.186,-13.95 3.5,-13.95 3.05,-14.4 3.05,-15.077 5.723,-17.75 v1(6.9,-17.75) 6.9,-19.3 7.5,-19.9 7.5,-20.95 8.05,-21.5 8.342,-21.5 DD2.18 9.9,-23.058 9.9,-23.55 9.4,-24.05 7.9,-24.05 7.525,-24.425 C32.2@7.525,-25.2
  Bottom Layer w0.4: L3.2@2.5,-22.1 1.8,-22.8 1.8,-24 2.5,-24.7 v1(4.1,-24.7)
  Bottom Layer w0.7: L3.2 C33.1 2.75,-18.55 3.825,-17.475 C30.2 3.825,-16.375 4.75,-15.45 7.15,-15.45 7.7,-16 R11.1 7.7,-17.3 7.25,-17.75 v1(6.9,-17.75)
VIN: C1.1 C2.2 DA1.3 X3.1 | length 11.5
  Bottom Layer w0.8: C1.1 10.3,-2 11.5,-2 12.3,-2.8 DA1.3
  Bottom Layer w1: C1.1 10.975,-0.425 C2.2 13.575,-0.425 14.3,0.3 X3.1
VUSB: C7.1 C9.2 DD1.4 DD1.20 L1.1 R6.1 R7.2 R8.2 VT1.2 | length 94.7
  Top Layer w0.7: R8.2 2.25,-26.75 3.2,-25.8 v1(3.55,-25.8) 3.85,-25.8 4.8,-26.75 R7.2
  Power w1: v1@10.5,-3.35 10.5,3.3 v1(12.9,5.7)
  GND w1: v1(3.55,-25.8) 7.1,-25.8 9.1,-23.8 9.7,-23.8 ; v1(10.6,-3.5) 9.7,-4.4 9.7,-12.25 11.75,-14.3 11.75,-14.95 12.25,-15.45 12.25,-19.55 9.7,-22.1 9.7,-23.8 ; v1(15.6,-38) v1(14.7,-38) 13.15,-38 12.45,-37.3 12.45,-28.35 13.15,-27.65 13.15,-25.2 11.75,-23.8 9.7,-23.8
  Bottom Layer w0.35: R6.1@2.45,-31.95 R6.1 ; C9.2@2.45,-30.475 C9.2
  Bottom Layer w0.4: v1(3.55,-25.8) 3,-25.8 1.4,-27.4 1.4,-29.75 1.875,-30.225 C9.2 3.525,-30.225 4.175,-30.875 DD1.20 7.725,-30.875 8,-31.15 9.15,-31.15 10,-30.3 10,-30 10.4,-29.6 10.4,-28.55 11.325,-27.625 DD1.4
  Bottom Layer w0.7: R6.1@2.65,-31.95 C9.2@2.65,-30.475 ; VT1.2 10.3,5.1 10.9,5.7 v1(12.9,5.7) ; L1.1@12.4,-39.1 L1.1 C7.1@14.9,-39.1
  Bottom Layer w0.9: C7.1@14.7,-38.9 v1(14.7,-38) v1(15.6,-38) 15.6,-38.4 14.9,-39.1 C7.1@14.7,-38.9
pads on no net: DD1.3 DD1.6 DD1.8 DD1.9 DD1.10 DD1.11 DD1.12 DD1.13 DD1.14 DD1.24 DD1.27 DD1.28 X1.4 ZQ1.2 ZQ1.4

## Polygon pours and split planes (outlines as drawn)
NetDA1_2 on Bottom Layer "Top Layer-No Net" (solid, pour order 0): 10.3,-5.8 11.3,-6.8 13,-6.8 13.4,-7.2 13.4,-9.6 11.9,-11.1 11.9,-12.3 10.9,-13.3 10.9,-14.9 10.595,-15.205 9.805,-15.205 8.9,-14.3 8.6,-14.3 7.1,-12.8 7.1,-7.4 7.7,-6.8 8.7,-6.8 9.7,-5.8
NetC20_1 on Bottom Layer "Top Layer-No Net" (solid, pour order 18): 1.4,24.9 cw(c7.65,11.65) 13.9,24.9
NetC20_1 on Top Layer "Top Layer-No Net" (solid, pour order 16): 1.4,24.9 cw(c7.65,11.65) 13.9,24.9
no net on Top Layer "Top Layer-No Net" (none, pour order 14): 2.42,23.5 12.82,23.5 ccw(c12.82,24.25) 13.57,24.25 ccw(c12.82,24.25) 12.82,25 2.42,25 ccw(c2.42,24.25)
GND on Top Layer "Top Layer-No Net" (solid, pour order 10): 7.6,-5.288 cw(c7.6,10.5) -8.188,10.5 cw(c7.6,10.5) 7.6,26.288 cw(c7.6,10.5) 23.388,10.5 cw(c7.6,10.5)
NetDA1_2 on Top Layer "Top Layer-No Net" (solid, pour order 4): 9.6,-4.4 9.6,-2.6 10.4,-2.6 9.9,-3.1 9.9,-3.9 10.4,-4.4
NetDA1_2 on Top Layer "Top Layer-No Net" (solid, pour order 2): 13,-8.6 13.4,-9 13.4,-11 13.2,-11.2 10.6,-11.2 10.4,-11.4 10.4,-12 10.2,-12.2 9.8,-12.2 8.5,-10.9 8.5,-10.2 9.6,-9.1 9.6,-4.2 11,-4.2 11.3,-3.9 11.3,-3.1 11,-2.8 9.6,-2.8 9.6,-1.3 10.7,-0.2 11.6,-0.2 11.6,-2 12.8,-3.2 12.8,-5.4 11.2,-7 10.8,-7 10.6,-7.2 10.6,-8.4 10.8,-8.6
GND on GND "Top Layer-No Net" (solid, pour order 6): 7.6,-5.288 cw(c7.6,10.5) -8.188,10.5 cw(c7.6,10.5) 7.6,26.288 cw(c7.6,10.5) 23.388,10.5 cw(c7.6,10.5)
GND on Power "Top Layer-No Net" (solid, pour order 8): 7.6,-5.288 cw(c7.6,10.5) -8.188,10.5 cw(c7.6,10.5) 7.6,26.288 cw(c7.6,10.5) 23.388,10.5 cw(c7.6,10.5)

## Other copper
Top Layer:
  pour cut-out: 15.1,9.5 12.3,9.5 12.3,9 15.1,9
  pour cut-out: 11.8,11.9 9,11.9 9,11.4 11.8,11.4
  pour cut-out: 12.8,0.6 12.8,-3.4 15.8,-3.4 15.8,-1.4 16.3,-0.9 16.3,0.6
  pour cut-out: 0.8,18.5 1.3,18 10.3,18 10.3,17.5 0.8,17.5
  pour cut-out: -2,23 -2,20 -1.5,19.5 -5,19.5 -5,20
  pour cut-out: 8.5,-5.5 8.5,12.5 -3,12.5 -2.5,12 -2.5,-5.5
  region net GND: 2.55,5 2.55,5.45 2.25,5.75 2.25,9.3 1.9,9.65 0.5,9.65 -1.2,7.95 -1.2,5.7 -0.5,5
  region net NetC5_1: 6.57,-37.8 6.57,-38.66 6.3,-38.93 6.3,-39 6.57,-39 6.83,-38.74 6.83,-37.81 6.82,-37.8
  region net D2: 7.18,-10.2 7.18,-11.4 6.58,-10.8
  region net GND: 1.9,2.6 -0.5,5 1.9,5
  region net D2: 5.98,-10.2 7.18,-10.2 6.58,-10.8
  pour cut-out: 15.1,1.4 15.1,2.4 14.8,2.4 14.8,1.4
  pour cut-out: 15.4,6.7 15.4,8.1 14.9,8.1 14.9,6.7
  region net SHIELD: 2.3,-42.5 3.2,-43.4 12,-43.4 12.9,-42.5
Power:
  region net +5V: -1.8,2.15 -1.8,1.5 -1.45,1.15 -1.25,1.15 -1.25,2.1 -1.3,2.15
  region net NetDA1_2: 12.3,-10.8 10.1,-13 10.1,-14.4 9.9,-14.6 9.1,-14.6 8.3,-13.8 8.3,-12.8 9.6,-11.5 9.6,-4.6 9.8,-4.4 11.8,-4.4 12.3,-4.9
  region net GND: 6.1,-17.2 6.35,-17.2 6.5,-17.05 6.25,-17.05
  region net +5V: 13.7,-8.2 14.1,-7.8 13.7,-7.8
  region net +5V: 13.7,-6.44 14.1,-6.84 13.7,-6.84
  pour cut-out: -5.9,1.9 -0.1,1.9 1.1,0.7 1.1,-1.2 0.9,-1.4 -2.6,-1.4
  pour cut-out: 13.51,10.673 14.641,9.541 14.359,9.259 13.227,10.39
  pour cut-out: 9.3,9.1 9.3,7 9.5,7 9.5,9.1
  pour cut-out: 16.3,1.4 16.3,-1.2 16,-1.5 16,-3.1 14.9,-3.1 14.9,1.4
  pour cut-out: 15,1.4 15,2.4 14.7,2.4 14.7,1.4
  region net +5V: 13.3,7.4 15,7.4 15,8.4 14.8,8.6 14.3,8.6
GND:
  pour cut-out: 16.3,-3 13.5,-3 13.5,-3.3 16.3,-3.3
  region net RESET: 8,-1.3 8,-2.3 7,-1.3
  region net RESET: 8.6,-1.3 8.6,-2.3 9.6,-1.3
  region net GND: 16.5,-42.8 3.2,-42.8 2.1,-41.7 2.1,-39.8 3.1,-39.8 3.1,-40.9 4.3,-42.1 16.5,-42.1
  region net NetDA1_2: 10.7,-4.8 11.4,-4.1 12.3,-4.1 13.7,-5.5 13.7,-11.5 12.65,-12.55 11.65,-12.55 10.7,-11.6
  pour cut-out: 3.6,-1.7 1.1,-1.7 1.1,-2 3.6,-2
  pour cut-out: 5.2,4.9 5.2,7.4 5.7,7.9 4.2,7.9 4.2,6.5 4.9,5.8 4.9,4.9
  pour cut-out: 6.7,10.7 -3.7,10.7 -3.7,10.3 6.7,10.3
  pour cut-out: -5.8,1.9 0.5,1.9 2,0.4 2,-1.7 -2.2,-1.7
  pour cut-out: 6.8,10.4 13.6,10.4 14.5,9.5 14.5,8.2 8.3,8.2 6.8,9.7
  region net VUSB: 10.2,-23.3 10.5,-23.3 10.2,-23
  region net VUSB: 9,-23.4 9.3,-23.1 9.3,-23.4
Bottom Layer:
  region net +5V: 13.9,9.2 13.9,8.5 14.1,8.3 15.3,8.3 15.5,8.5 15.5,9.2
  region net NetDA4_3: 11.3,9.6 11.6,9.3 11.6,9.6
  region net NetDA4_3: 12,9.3 12,9.6 12.3,9.6
  region net GND: 5,8.8 4.7,8.5 5,8.5
  region net GND: 5.6,8.8 5.9,8.5 5.6,8.5
  region net GND: 0.9,10.8 0.5,10.4 0.9,10.4
  region net GND: 1.5,10.8 1.5,10.4 1.9,10.4
  region net +5V: 4.1,2.5 4.1,3.1 2.7,3.1 2.7,2.5
  region net NetDA1_2: 8.5,0.5 8.5,3 7.7,3 7.7,1.1
  region net +5V: 2.7,2 1.7,3 2.8,3 2.9,2.9 2.9,2
  region net +5V: 5,3 4.1,2.1 3.9,2.1 3.9,3
  region net +5V: 17.7,3 19.2,1.5 21,1.5 21.3,1.8 21.3,5.3 19.5,7.1 17.7,7.1
  region net NetC18_1: 8.5,22.3 10.8,22.3 10.8,21.1 8.5,21.1
  text "DKRD03" at 9.65,16.4 h2

## Silkscreen, mask and mechanical layers (free items; w line width, h text height)
Top Overlay:
  circle w0.14: c18.3,3.1 r0.41
  lines w0.14: 16.299,3.1 cw(c18.3,3.1) 17.3,4.833 17.98,3.655 ccw(c18.3,3.1) 17.659,3.1 16.299,3.1 ; 16.414,19.328 16.414,19.8 16.866,19.889 ccw(c16.837,20.039) 16.982,19.993 cw(c18.352,19.564) 17.08,20.23 ccw(c16.945,20.301) 17.071,20.385 16.815,20.768 17.148,21.102 17.531,20.845 ccw(c17.616,20.972) 17.687,20.837 cw(c18.352,19.564) 17.923,20.935 ccw(c17.878,21.08) 18.027,21.051 18.116,21.503 18.588,21.503 18.677,21.051 ccw(c18.827,21.08) 18.781,20.935 cw(c18.352,19.564) 19.018,20.837 ccw(c19.089,20.972) 19.173,20.845 19.556,21.102 19.89,20.768 19.633,20.385 ccw(c19.76,20.301) 19.625,20.23 cw(c18.352,19.564) 19.723,19.993 ccw(c19.868,20.039) 19.839,19.889 20.291,19.8 20.291,19.328 19.839,19.239 ccw(c19.868,19.09) 19.723,19.135 cw(c18.352,19.564) 19.625,18.899 ccw(c19.76,18.828) 19.633,18.743 19.89,18.36 19.556,18.027 19.173,18.283 ccw(c19.089,18.157) 19.018,18.292 cw(c18.352,19.564) 18.964,18.265 cw(c18.953,18.288) 18.93,18.278 18.604,19.004 cw(c18.627,19.014) 18.616,19.037 ccw(c18.352,19.564) 18.089,19.037 cw(c18.077,19.014) 18.1,19.004 17.775,18.278 cw(c17.751,18.288) 17.741,18.265 cw(c18.352,19.564) 17.687,18.292 ccw(c17.616,18.157) 17.531,18.283 17.148,18.027 16.815,18.36 17.071,18.743 ccw(c16.945,18.828) 17.08,18.899 cw(c18.352,19.564) 16.982,19.135 ccw(c16.836,19.09) 16.866,19.239 16.414,19.328 ; 17.3,1.367 ccw(c18.3,3.1) 19.3,1.367 18.62,2.545 cw(c18.3,3.1) 17.98,2.545 17.3,1.367 ; 18.62,3.655 cw(c18.3,3.1) 18.941,3.1 20.301,3.1 ccw(c18.3,3.1) 19.3,4.833 18.62,3.655
  text "open source / hardware" at 14.95,16 h1
  text "VIN" at 14.7,1.32 h0.8
  text "TX" at -0.4,1.3 h0.8
  text "be safe" at 16.9,0 h1
  text "RX" at -0.4,-1.23 h0.8
  text "GND" at 14.55,-1.23 h0.8
  text "RST" at 14.65,-3.73 h0.8
  text "RST" at -0.6,-3.77 h0.8
  text "GND" at -0.7,-6.3 h0.8
  text "+5V" at 14.55,-6.28 h0.8
  text "A7" at 14.85,-8.83 h0.8
  text "D2" at -0.4,-8.85 h0.8
  text "A6" at 14.85,-11.38 h0.8
  text "D3" at -0.4,-11.39 h0.8
  text "D4" at -0.4,-13.94 h0.8
  text "A5" at 14.85,-13.93 h0.8
  text "D5" at -0.35,-16.46 h0.8
  text "A4" at 14.85,-16.48 h0.8
  text "D6" at -0.4,-19 h0.8
  text "A3" at 14.85,-18.98 h0.8
  text "A2" at 14.85,-21.53 h0.8
  text "D7" at -0.4,-21.55 h0.8
  text "D8" at -0.4,-24.08 h0.8
  text "A1" at 14.8,-24.08 h0.8
  text "D9" at -0.4,-26.63 h0.8
  text "A0" at 14.8,-26.63 h0.8
  text "D10" at -0.6,-29.17 h0.8
  text "AREF" at 14.45,-29.18 h0.8
  text "+3.3" at 14.5,-31.68 h0.8
  text "D11" at -0.6,-31.71 h0.8
  text "D13" at 14.6,-34.23 h0.8
  text "D12" at -0.6,-34.25 h0.8
  text "wiredlogic.io" at 17.95,-39.85 h1.4 r90
Bottom Overlay:
  lines w0.1: 1.4,-7.95 1.4,1.6 ; 6.6,-7.95 6.6,-4
  text "Duino Key RD v 0.3" at 17.3,-42.1 h1.4 r270
Top Solder:
  region: 9.8,-1.9 9.7,-2 9.7,-2.6 9.8,-2.7 11,-2.7 11.4,-3.1 11.4,-3.9 11,-4.3 9.8,-4.3 9.7,-4.4 9.7,-9.2 8.6,-10.3 8.6,-10.8 9.9,-12.1 10.2,-12.1 10.3,-12 10.3,-11.3 10.7,-10.9 10.7,-8.6 10.5,-8.4 10.5,-7.1 10.9,-6.7 11.4,-6.7 12.7,-5.4 12.7,-3.2 11.4,-1.9
Bottom Solder:
  region: 10.5,-6.1 11.3,-6.9 12.95,-6.9 13.3,-7.25 13.3,-9.6 11.8,-11.1 11.8,-12.2 10.8,-13.2 10.8,-14.8 10.5,-15.1 9.8,-15.1 8.9,-14.2 8.6,-14.2 7.2,-12.8 7.2,-7.4 7.7,-6.9 8.7,-6.9 9.5,-6.1
  lines w0.1: -1.25,6.35 -0.3,6.35 ; 1,6.35 1.85,6.35
Mechanical 2:
  lines w0.1: -5.426,-0.389 cw(c-13.879,-9.419) -1.57,-8.2 -1.57,-43.17 ccw(c-1.17,-43.2) -1.2,-43.6 16.81,-43.6 ; -5.41,-0.408 cw(c7.62,10.473) 20.666,-0.389 ccw(c29.119,-9.419) 16.81,-8.2 16.81,-28.8 ccw(c17.49,-28.731) 17.24,-29.367 cw(c16.8,-31.008) 18.499,-31.008 ; 16.8,-43.6 ccw(c16.8,-41.9) 18.5,-41.9 18.5,-31.008